# Altium PCB vme64x6U_ctrlc.PcbDoc (part 12 of 18)
Units mm, origin at the board's own origin, x right, y up, seen from the top; angles counter-clockwise.
Board outline 233.35 x 162 mm, 6 copper layers (TopLayer, PlaneGnd, PlanePwr, MidLayer3, MidLayer4, BottomLayer); 408 components, 677 nets, 2169 pads, 1555 vias.
Unrouted connection lines stored in the file: 184.
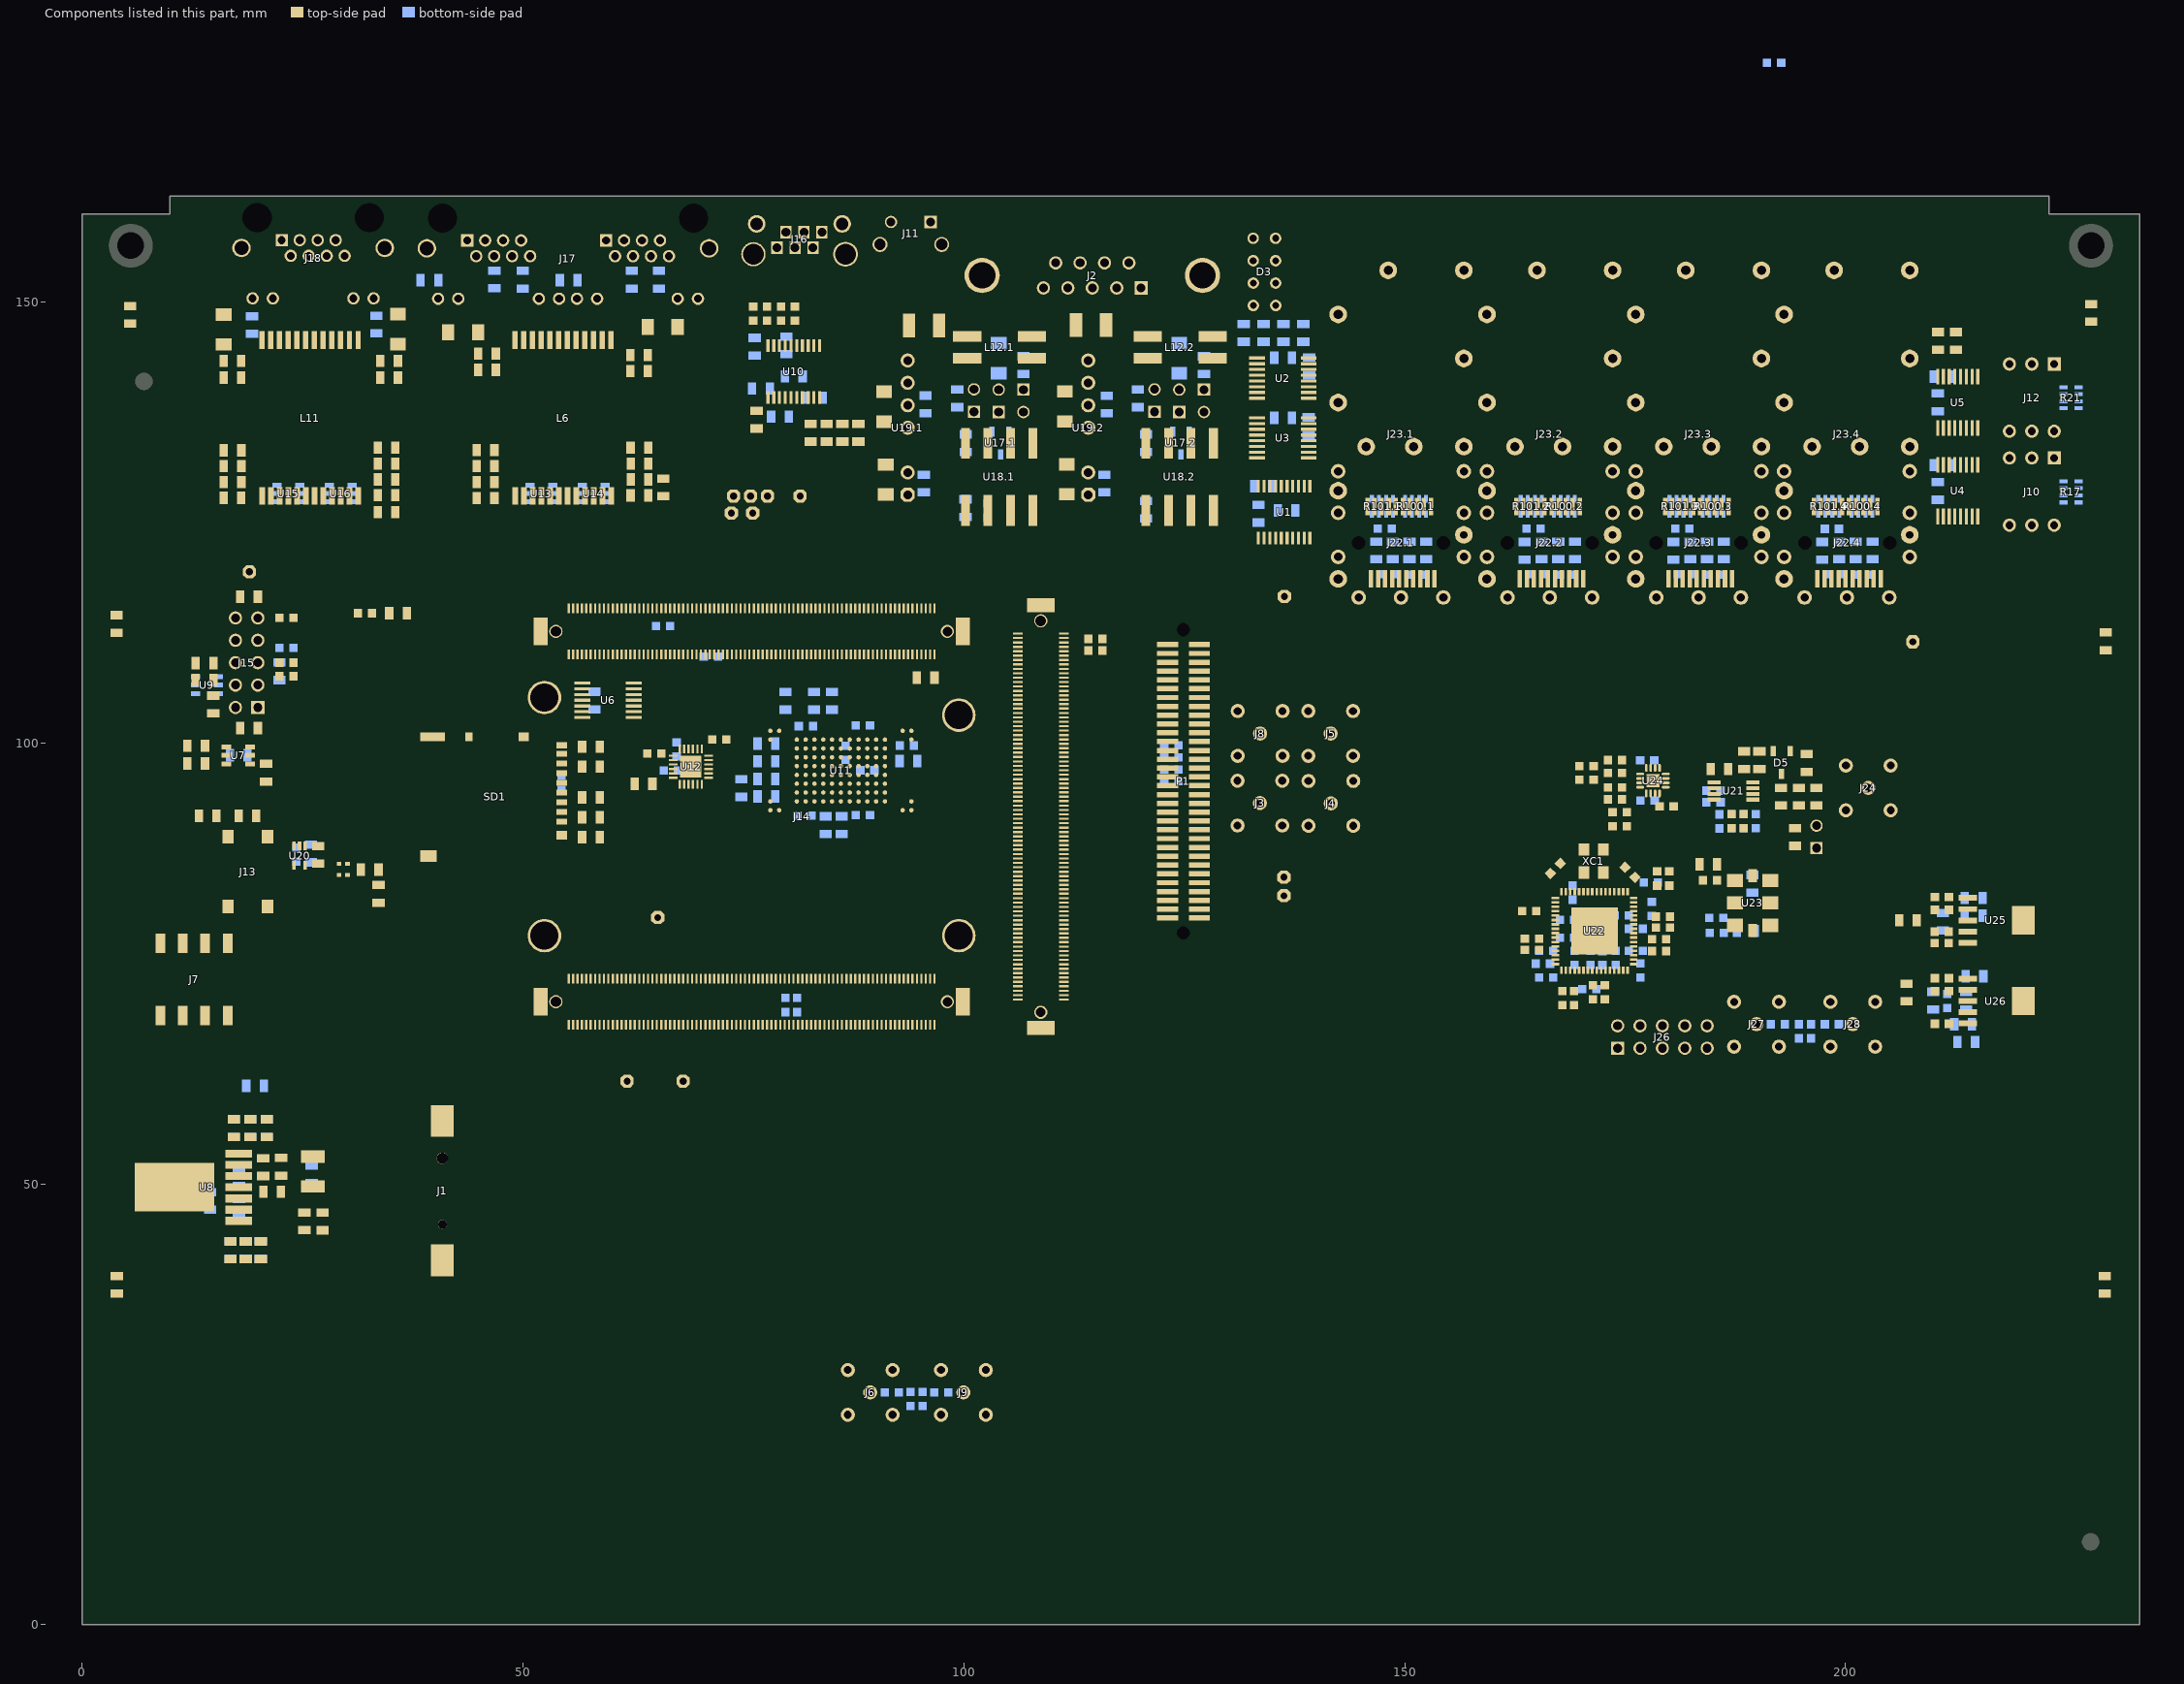
[diagram p16: the components of this part, seen from the top]

## Components (designator, comment, footprint, x,y, rotation, side; value= is the part's Value field where it differs from the comment) (continued)
C73.3 "100nF" CAPC1608N 181.5,124.3 r0 bottom (schematic designator C73)
C73.4 "100nF" CAPC1608N 198.45,124.275 r0 bottom (schematic designator C73)
C74.1 "22uF" CAPC2012N 146.775,121.825 r270 bottom (schematic designator C74)
C74.2 "22uF" CAPC2012N 163.605,121.8 r270 bottom (schematic designator C74)
C74.3 "22uF" CAPC2012N 180.48,121.8 r270 bottom (schematic designator C74)
C74.4 "22uF" CAPC2012N 197.355,121.8 r270 bottom (schematic designator C74)
C75.1 "100nF" CAPC1608N 148.05,119.125 r0 bottom (schematic designator C75)
C75.2 "100nF" CAPC1608N 164.925,119.125 r0 bottom (schematic designator C75)
C75.3 "100nF" CAPC1608N 181.8,119.125 r0 bottom (schematic designator C75)
C75.4 "100nF" CAPC1608N 198.675,119.125 r0 bottom (schematic designator C75)
C76.1 "22uF" CAPC2012N 152.425,121.825 r270 bottom (schematic designator C76)
C76.2 "22uF" CAPC2012N 169.305,121.825 r270 bottom (schematic designator C76)
C76.3 "22uF" CAPC2012N 186.18,121.825 r270 bottom (schematic designator C76)
C76.4 "22uF" CAPC2012N 203.055,121.825 r270 bottom (schematic designator C76)
C77.1 "100nF" CAPC1608N 151.5,119.1 r180 bottom (schematic designator C77)
C77.2 "100nF" CAPC1608N 168.375,119.1 r180 bottom (schematic designator C77)
C77.3 "100nF" CAPC1608N 185.25,119.1 r180 bottom (schematic designator C77)
C77.4 "100nF" CAPC1608N 202.125,119.1 r180 bottom (schematic designator C77)
C78 "100nF" CAPC1608N 185.025,94.6 r0 bottom
C79 "100nF" CAPC1608N 185.025,93.275 r0 bottom
C80 "1nF" CAPC2012N 192.675,93.9 r270 top
C81 "0.1uF" CAPC2012N 188.5,98.05 r90 top
C82 "100nF" CAPC1608N 185.325,80.15 r180 bottom
C83 "100nF" CAPC1608N 185.375,78.45 r180 bottom
C84 "100nF" CAPC1608N 178.625,84.625 r270 top
C85 "100nF" CAPC1608N 177.9,84.175 r180 bottom
C86 "100nF" CAPC1608N 175.2,91.35 r270 top
C87 "100nF" CAPC1608N 173.575,91.35 r270 top
C88 "100nF" CAPC1608N 169.275,75.625 r270 bottom
C89 "100nF" CAPC1608N 171.075,75.625 r270 bottom
C90 "100nF" CAPC1608N 179.275,80.3 r0 top
C91 "100nF" CAPC1608N 172.425,75.6 r270 bottom
C92 "100nF" CAPC1608N 179.275,79.05 r0 top
C93 "100nF" CAPC1608N 173.925,75.625 r270 bottom
C94 "100nF" CAPC1608N 165.675,74.975 r0 bottom
C95 "100nF" CAPC1608N 174.6,80.425 r0 bottom
C96 "100nF" CAPC1608N 178.85,76.4 r0 top
C97 "100nF" CAPC1608N 166.05,73.4 r0 bottom
C98 "100nF" CAPC1608N 166.05,76.425 r0 bottom
C99 "100nF" CAPC1608N 168.425,77.925 r180 bottom
C100 "100nF" CAPC1608N 177.5,98.025 r180 bottom
C101 "100nF" CAPC1608N 178.85,77.725 r0 top
C102 "100nF" CAPC1608N 168.425,79.925 r180 bottom
C103 "100nF" CAPC1608N 177.55,93.45 r180 bottom
C104 "100nF" CAPC1608N 176.725,74.2 r90 bottom
C105 "100nF" CAPC1608N 176.2,76.425 r180 bottom
C106 "100nF" CAPC1608N 176.225,78.925 r180 bottom
C107 "100nF" CAPC1608N 169.2,71.075 r270 top
C108 "100nF" CAPC1608N 170.625,95.825 r180 top
C109 "100nF" CAPC1608N 169.05,83.025 r270 bottom
C110 "100nF" CAPC1608N 170.625,97.375 r180 top
C111 "100nF" CAPC1608N 167.875,71.075 r270 top
C112 "100nF" CAPC1608N 172.7,71.725 r270 top
C113 "100nF" CAPC1608N 171.35,71.725 r270 top
C114 "100nF" CAPC1608N 164.425,76.525 r180 top
C115 "100nF" CAPC1608N 164.425,77.8 r180 top
C116 "100nF" CAPC1608N 210.925,81.075 r180 top
C117 "100nF" CAPC1608N 210.9,77.3 r180 top
C118 "1uF" CAPC2012N 214.525,80.408 r180 bottom
C119 "22uF" CAPC2012N 214.525,82.408 r180 bottom
C120 "100nF" CAPC1608N 210.925,82.525 r0 top
C121 "10nF" CAPC1608N 210.9,78.6 r0 top
C122 "100nF" CAPC1608N 210.923,71.875 r180 top
C123 "100nF" CAPC1608N 210.923,68.15 r180 top
C124 "10nF" CAPC1608N 211.523,70.75 r90 bottom
C125 "1uF" CAPC2012N 213.673,70.75 r90 bottom
C126 "22uF" CAPC2012N 214.625,73.55 r180 bottom
C127 "100nF" CAPC1608N 210.923,73.325 r0 top
D1 "BAS40SL" SOD_923 29.61,86.285 r0 top
D2 "BAS40SL" SOD_923 29.61,85.035 r0 top
D3 "H485CGDL" LED_H485C 131.535,162.31 r0 top
D4 "LB Q39E-N1OO-35-1" LEDC1608N 32.065,114.71 r0 top
D5 "MMBD1503" SOT95P280X115-3N 192.75,97.775 r270 top
J1 "BC501SM" BAT_CR1220 40.85,48.9 r90 top
J2 "DRB-9MA" DRB-9MA 120.105,151.6 r0 top
J3 "DNP" LEMO_EPA.00.250.NTN 133.575,93.175 r180 top
J4 "DNP" LEMO_EPA.00.250.NTN 141.625,93.15 r180 top
J5 "DNP" LEMO_EPA.00.250.NTN 141.6,101.075 r0 top
J6 "DNP" LEMO_EPA.00.250.NTN 89.375,26.35 r0 top
J7 "A6SN-4104" DIPSW4-A6SN8 8.87,69.075 r90 top
J8 "DNP" LEMO_EPA.00.250.NTN 133.6,101.075 r0 top
J9 "DNP" LEMO_EPA.00.250.NTN 99.95,26.35 r0 top
J10 "ERD116XSZ" SW_ECE_ERD116XSZ 223.665,132.32 r270 top
J11 "PTS645VL582LFS" PTS645VL582LFS 93.985,159.085 r180 top
J12 "ERD116XSZ" SW_ECE_ERD116XSZ 223.665,142.97 r270 top
J13 "PTS645SL43SMTR92" PTS645SL43SMTR92 18.785,85.41 r90 top
J14 "3 x FX10A-168P-SV1(71)" Mercury_SA2p 112.925,118.65 r180 top
J15 "IDC-10MC" PLD-10 18.65,109.1 r90 top
J16 "1734723-1@TYCO" RJ14 83.9,157.928 r180 top
J17 "RJHSE-5381-2" AMPH-RJHSE-5381-02_V 62.975,156.095 r180 top
J18 "RJHSE-5381" AMPH-RJHSE-5381_V 26.19,156.135 r180 top
J19.1 "PLS-2" PLS-2#1 101.15,138.825 r90 top (schematic designator J19)
J19.2 "PLS-2" PLS-2#1 121.625,138.825 r90 top (schematic designator J19)
J20.1 "PLS-2" PLS-2#1 103.95,138.8 r90 top (schematic designator J20)
J20.2 "PLS-2" PLS-2#1 124.425,138.8 r90 top (schematic designator J20)
J21.1 "PLS-2" PLS-2#1 106.75,138.8 r270 top (schematic designator J21)
J21.2 "PLS-2" PLS-2#1 127.225,138.8 r270 top (schematic designator J21)
J22.1 "74441-0001" MOLEX_74441-0001 149.58,122.7 r270 top (schematic designator J22)
J22.2 "74441-0001" MOLEX_74441-0001 166.455,122.7 r270 top (schematic designator J22)
J22.3 "74441-0001" MOLEX_74441-0001 183.33,122.7 r270 top (schematic designator J22)
J22.4 "74441-0001" MOLEX_74441-0001 200.205,122.7 r270 top (schematic designator J22)
J23.1 "74754-0101" MOLEX_74737-0111 149.58,122.7 r270 top (schematic designator J23)
J23.2 "74754-0101" MOLEX_74737-0111 166.455,122.7 r270 top (schematic designator J23)
J23.3 "74754-0101" MOLEX_74737-0111 183.33,122.7 r270 top (schematic designator J23)
J23.4 "74754-0101" MOLEX_74737-0111 200.155,122.7 r270 top (schematic designator J23)
J24 "DNP" LEMO_EPA.00.250.NTN 202.575,94.9 r0 top
J25 "PLS-2" PLS-2#2 196.7,88.075 r90 top
J26 "DNP" PLD-10 179.225,66.65 r0 top
J27 "DNP" LEMO_EPA.00.250.NTN 189.9,68.1 r0 top
J28 "DNP" LEMO_EPA.00.250.NTN 200.825,68.1 r0 top
L1 "LQH32PN4R7NN0L" IND_3225_MURATA_LQH_N 26.15,51.4 r270 top value=4.7uH
L2 "BLM21RK102SN1D" INDC2012N 63.205,129.885 r0 top value=BLM21SN102
L3 "BLM21RK102SN1D" INDC2012N 63.205,131.685 r0 top value=BLM21SN102
L4 "BLM21RK102SN1D" INDC2012N 45.755,131.385 r180 top value=BLM21SN102
L5 "BLM21RK102SN1D" INDC2012N 45.755,129.585 r180 top value=BLM21SN102
L6 "H5008NL" SMD_HX508 49.105,128 r90 top
L7 "DNP" INDC2012N 34.51,129.885 r0 top
L8 "DNP" INDC2012N 34.51,131.685 r0 top
L9 "DNP" INDC2012N 17.06,131.385 r180 top
L10 "DNP" INDC2012N 17.06,129.585 r180 top
L11 "H5008NL" SMD_HX508 20.41,128 r90 top
L12.1 "B82790C0513" SMD_B82790 107.725,146.125 r180 top (schematic designator L12)
L12.2 "B82790C0513" SMD_B82790 128.2,146.125 r180 top (schematic designator L12)
L13.1 "LQH32PN4R7NN0L" IND_3225_MURATA_LQH_N 95.475,147.35 r180 top value=4.7uH (schematic designator L13)
L13.2 "LQH32PN4R7NN0L" IND_3225_MURATA_LQH_N 114.425,147.4 r180 top value=4.7uH (schematic designator L13)
L14.1 "BLM21PG221SN1" INDC2012N 148.655,121.825 r270 bottom (schematic designator L14)
L14.2 "BLM21PG221SN1" INDC2012N 165.53,121.825 r270 bottom (schematic designator L14)
L14.3 "BLM21PG221SN1" INDC2012N 182.405,121.825 r270 bottom (schematic designator L14)
L14.4 "BLM21PG221SN1" INDC2012N 199.28,121.825 r270 bottom (schematic designator L14)
L15.1 "BLM21PG221SN1" INDC2012N 150.53,121.825 r270 bottom (schematic designator L15)
L15.2 "BLM21PG221SN1" INDC2012N 167.405,121.825 r270 bottom (schematic designator L15)
L15.3 "BLM21PG221SN1" INDC2012N 184.28,121.825 r270 bottom (schematic designator L15)
L15.4 "BLM21PG221SN1" INDC2012N 201.155,121.825 r270 bottom (schematic designator L15)
P1 "TYCO_120521-1" TYCO_120521-1 124.9,78.45 r90 top value=DNP
R1 "5.1kΩ" RESC2012N 133.95,129.125 r0 bottom value=5.1k?
R2 "5.1kΩ" RESC2012N 211.025,131.5 r0 bottom value=5.1k?
R3 "5.1kΩ" RESC2012N 136.6,126.375 r180 bottom value=5.1k?
R4 "5.1kΩ" RESC2012N 139.15,142.7 r90 bottom value=5.1k?
R5 "5.1kΩ" RESC2012N 139.1,135.925 r90 bottom value=5.1k?
R6 "5.1kΩ" RESC2012N 212.525,145.6 r90 top value=5.1k?
R7 "5.1kΩ" RESC2012N 210.475,145.6 r90 top value=5.1k?
R8 "43kΩ" RESC2012N 32.61,85.635 r180 top value=43k?
R9 "100Ω" RESC1608N 123.525,95.65 r180 bottom value=100?
R10 "5.1kΩ" RESC2012N 211.025,141.55 r0 bottom value=5.1k?
R11 "100Ω" RESC1608N 123.525,97 r180 bottom value=100?
R12 "100Ω" RESC1608N 191.9,177.125 r180 bottom value=100?
R13 "100Ω" RESC1608N 123.525,98.375 r180 bottom value=100?
R14 "100Ω" RESC1608N 91.825,26.35 r0 bottom value=100?
R15 "100Ω" RESC1608N 93.95,25.6 r270 bottom value=100?
R16 "100Ω" RESC1608N 123.525,99.75 r180 bottom value=100?
R17 "CAY16-4702F4LF" CAY16-J4 224.725,127.275 r0 bottom value=47k?
R18 "100Ω" RESC1608N 97.45,26.35 r180 bottom value=100?
R19 "100Ω" RESC1608N 95.3,25.6 r270 bottom value=100?
R20 "10kΩ" RESC2012N 12.925,97.675 r0 top value=10k?
R21 "CAY16-4702F4LF" CAY16-J4 224.725,137.95 r0 bottom value=47k?
R22 "1kΩ" RESC2012N 136.25,146.5 r90 bottom value=1k?
R23 "1kΩ" RESC2012N 138.5,146.5 r90 bottom value=1k?
R24 "51kΩ" RESC2012N 12.925,99.675 r0 top value=51k?
R25 "1kΩ" RESC2012N 134,146.5 r90 bottom value=1k?
R26 "1kΩ" RESC2012N 131.75,146.5 r90 bottom value=1k?
R27 "10MΩ" RESC2012N 3.925,38.55 r270 top value=10M?
R28 "10MΩ" RESC2012N 229.4,38.55 r270 top value=10M?
R29 "51kΩ" RESC2012N 14.225,91.725 r0 top value=51k?
R30 "DNP" RESC2012N 5.45,148.55 r270 top
R31 "10MΩ" RESC2012N 3.9,113.5 r270 top value=10M?
R32 "DNP" RESC2012N 227.85,148.775 r270 top
R33 "10MΩ" RESC2012N 229.5,111.525 r90 top value=10M?
R34 "1kΩ" RESC2012N 35.815,114.71 r180 top value=1k?
R35 "1kΩ" RESC2012N 19.6,61.125 r0 bottom value=1k?
R36 "75kΩ" RESC2012N 20.535,51.885 r270 top value=75k?
R37 "DNP" RESC2012N 26.025,51.075 r90 bottom
R38 "1kΩ" RESC2012N 22.56,51.935 r270 top value=1k?
R39 "24kΩ" RESC2012N 17.785,50.76 r270 bottom value=24k?
R40 "22Ω" RESC1608N 71.3,109.8 r0 bottom value=22?
R41 "DNP" RESC1608N 23.16,110.785 r180 bottom
R42 "1kΩ" RESC2012N 14.875,104.375 r90 top value=1k?
R43 "22Ω" RESC1608N 23.16,107.56 r180 top value=22?
R44 "DNP" RESC2012N 18.925,101.675 r180 top
R45 "100Ω" RESC1608N 23.16,114.21 r180 top value=100?
R46 "DNP" RESC2012N 22.375,108.125 r270 bottom
R47 "100Ω" RESC1608N 23.16,109.11 r180 top value=100?
R48 "100Ω" RESC1608N 65.875,113.275 r180 bottom value=100?
R49 "DNP" RESC2012N 18.925,116.575 r180 top
R50 "10kΩ" RESC2012N 13.875,109.05 r180 top value=10k?
R51 "51kΩ" RESC2012N 76.485,136.66 r90 top value=51k?
R52 "51kΩ" RESC2012N 76.26,144.935 r90 bottom value=51k?
R53 "22Ω" RESC1608N 80.835,148.703 r90 top value=22?
R54 "1kΩ" RESC2012N 86.225,135.175 r90 top value=1k?
R55 "22Ω" RESC1608N 79.26,148.703 r90 top value=22?
R56 "1kΩ" RESC2012N 88.025,135.175 r90 top value=1k?
R57 "1kΩ" RESC2012N 84.425,135.175 r90 top value=1k?
R58 "1kΩ" RESC2012N 82.625,135.175 r90 top value=1k?
R59 "22Ω" RESC1608N 77.685,148.703 r90 top value=22?
R60 "22Ω" RESC1608N 76.11,148.703 r90 top value=22?
R61 "10kΩ" RESC2012N 77.6,97.925 r0 bottom value=10k?
R62 "10kΩ" RESC2012N 85.05,104.775 r270 bottom value=10k?
R63 "10kΩ" RESC2012N 79.75,104.775 r270 bottom value=10k?
R64 "10kΩ" RESC2012N 83,104.775 r270 bottom value=10k?
R65 "10kΩ" RESC2012N 77.6,99.925 r0 bottom value=10k?
R66 "10kΩ" RESC2012N 86.125,90.675 r90 bottom value=10k?
R67 "10kΩ" RESC2012N 77.6,95.925 r0 bottom value=10k?
R68 "10kΩ" RESC2012N 77.6,93.925 r0 bottom value=10k?
R69 "10kΩ" RESC2012N 84.325,90.675 r90 bottom value=10k?
R70 "10kΩ" RESC2012N 74.75,94.875 r90 bottom value=10k?
R71 "10kΩ" RESC2012N 63.675,95.375 r180 top value=10k?
R72 "22Ω" RESC1608N 64.875,98.8 r180 top value=22?
R73 "22Ω" RESC1608N 72.25,100.375 r0 top value=22?
R74 "10kΩ" RESC2012N 57.7,89.325 r180 top value=10k?
R75 "10kΩ" RESC2012N 57.7,91.575 r180 top value=10k?
R76 "10kΩ" RESC2012N 57.7,93.825 r180 top value=10k?
R77 "10kΩ" RESC2012N 57.7,97.325 r180 top value=10k?
R78 "10kΩ" RESC2012N 57.7,99.575 r180 top value=10k?
R79 "75Ω" RESC2012N 45.91,144.16 r0 top value=75?
R80 "150Ω" RESC2012N 39.385,152.485 r0 bottom value=150?
R81 "75Ω" RESC2012N 45.91,142.31 r0 top value=75?
R82 "75Ω" RESC2012N 46.76,152.56 r270 bottom value=75?
R83 "75Ω" RESC2012N 63.16,142.16 r180 top value=75?
R84 "75Ω" RESC2012N 49.96,152.535 r270 bottom value=75?
R85 "75Ω" RESC2012N 63.16,143.985 r180 top value=75?
R86 "150Ω" RESC2012N 55.175,152.475 r0 bottom value=150?
R87 "75Ω" RESC2012N 62.335,152.535 r270 bottom value=75?
R88 "75Ω" RESC2012N 65.41,152.535 r270 bottom value=75?
R89 "75Ω" RESC2012N 17.035,143.335 r0 top value=75?
R90 "75Ω" RESC2012N 17.035,141.435 r0 top value=75?
R91 "150Ω" RESC2012N 19.275,147.4 r90 bottom value=150?
R92 "75Ω" RESC2012N 34.81,141.435 r180 top value=75?
R93 "150Ω" RESC2012N 33.375,147.45 r90 bottom value=150?
R94 "75Ω" RESC2012N 34.81,143.335 r180 top value=75?
R95.1 "62Ω" RESC2012N 99.25,139.075 r90 bottom value=62? (schematic designator R95)
R95.2 "62Ω" RESC2012N 119.725,139.075 r90 bottom value=62? (schematic designator R95)
R96.1 "22Ω" RESC1608N 102.7,126.35 r270 bottom value=22? (schematic designator R96)
R96.2 "22Ω" RESC1608N 123.175,126.35 r270 bottom value=22? (schematic designator R96)
R97.1 "62Ω" RESC2012N 106.75,142.85 r90 bottom value=62? (schematic designator R97)
R97.2 "62Ω" RESC2012N 127.225,142.85 r90 bottom value=62? (schematic designator R97)
R98.1 "22Ω" RESC1608N 105.3,126.4 r270 bottom value=22? (schematic designator R98)
R98.2 "22Ω" RESC1608N 125.775,126.4 r270 bottom value=22? (schematic designator R98)
R99 "51kΩ" RESC2012N 26.775,87.3 r270 top value=51k?
R100.1 "CAY16-1002F4LF" CAY16-J4 152.43,126 r90 bottom value=10k? (schematic designator R100)
R100.2 "CAY16-1002F4LF" CAY16-J4 169.305,126 r90 bottom value=10k? (schematic designator R100)
R100.3 "CAY16-1002F4LF" CAY16-J4 186.18,126 r90 bottom value=10k? (schematic designator R100)
R100.4 "CAY16-1002F4LF" CAY16-J4 203.055,126 r90 bottom value=10k? (schematic designator R100)
R101.1 "CAY16-1002F4LF" CAY16-J4 148.68,126 r90 bottom value=10k? (schematic designator R101)
R101.2 "CAY16-1002F4LF" CAY16-J4 165.555,126 r90 bottom value=10k? (schematic designator R101)
R101.3 "CAY16-1002F4LF" CAY16-J4 182.43,126 r90 bottom value=10k? (schematic designator R101)
R101.4 "CAY16-1002F4LF" CAY16-J4 199.305,126 r90 bottom value=10k? (schematic designator R101)
R102 "0Ω" RESC2012N 206.925,71.7 r270 top value=0?
R103 "150Ω" RESC2012N 194.7,93.9 r90 top value=150?
R104 "1kΩ" RESC2012N 213.7,66.075 r0 bottom value=1k?
R105 "51Ω" RESC2012N 196.7,93.9 r90 top value=51?
R106 "10kΩ" RESC2012N 185.7,97.05 r180 top value=10k?
R107 "150Ω" RESC2012N 190.225,98.05 r270 top value=150?
R108 "51kΩ" RESC2012N 195.6,97.725 r90 top value=51k?
R109 "0Ω" RESC2012N 207.075,79.9 r0 top value=0?
R110 "DNP" RESC1608N 187.075,91.125 r90 bottom
R111 "DNP" RESC1608N 185.7,91.1 r270 bottom
R112 "51kΩ" RESC2012N 194.275,89.325 r90 top value=51k?
R113 "22Ω" RESC1608N 187.075,91.125 r90 top value=22?
R114 "1kΩ" RESC2012N 211.05,79.725 r90 bottom value=1k?
R115 "22Ω" RESC1608N 188.45,91.125 r90 top value=22?
R116 "DNP" RESC1608N 188.45,91.125 r90 bottom
R117 "DNP" RESC1608N 189.825,91.125 r270 bottom
R118 "5.1kΩ" RESC2012N 188.675,78.675 r0 bottom value=5.1k?
R119 "5.1kΩ" RESC2012N 189.425,84.025 r90 bottom value=5.1k?
R120 "51Ω" RESC2012N 184.425,86.25 r180 top value=51?
R121 "820Ω" RESC1608N 180,84.625 r270 top value=820?
R122 "22Ω" RESC1608N 184.625,84.425 r180 top value=22?
R123 "100Ω" RESC1608N 175.55,85.325 r315 top value=100?
R124 "100Ω" RESC1608N 167.075,85.775 r45 top value=100?
R125 "100Ω" RESC1608N 178.025,81.175 r270 bottom value=100?
R126 "22Ω" RESC1608N 164.125,80.925 r180 top value=22?
R127 "22Ω" RESC1608N 170.95,72.1 r180 bottom value=22?
R128 "100Ω" RESC1608N 192.325,68.1 r180 bottom value=100?
R129 "100Ω" RESC1608N 194.7,67.3 r90 bottom value=100?
R130 "91Ω" RESC1608N 173.85,94.95 r180 top value=91?
R131 "91Ω" RESC1608N 173.85,93.6 r180 top value=91?
R132 "100Ω" RESC1608N 198.45,68.1 r0 bottom value=100?
R133 "68Ω" RESC1608N 179.7,92.825 r0 top value=68?
R134 "100Ω" RESC1608N 196.1,67.3 r90 bottom value=100?
R135 "91Ω" RESC1608N 173.85,96.6 r0 top value=91?
R136 "91Ω" RESC1608N 173.85,98.05 r0 top value=91?
R137 "5.1kΩ" RESC2012N 209.923,70.775 r90 bottom value=5.1k?
R138 "12kΩ" RESC2012N 213.325,68.1 r180 bottom value=12k?
SD1 "DM3AT-SF-PEJM5" SD_HRS-DM3AT-8_V 46.825,93.925 r270 top
TP1 "test point" TEST_POINT 136.3,82.675 r0 top
TP2 "test point" TEST_POINT 136.3,84.775 r0 top
TP3 "test point" TEST_POINT 77.725,128 r90 top
TP4 "test point" TEST_POINT 81.425,128 r90 top
TP5 "test point" TEST_POINT 75.8,128 r90 top
TP6 "test point" TEST_POINT 18.975,119.4 r90 top
TP7 "test point" TEST_POINT 73.625,126.075 r90 top
TP8 "test point" TEST_POINT 136.35,116.625 r90 top
TP9 "test point" TEST_POINT 76.05,126.075 r90 top
TP10 "test point" TEST_POINT 207.625,111.475 r90 top
TP11 "test point" TEST_POINT 73.875,128 r90 top
TP12 "test point" TEST_POINT 65.275,80.2 r90 top
TP13 "test point" TEST_POINT 61.8,61.65 r90 top
TP14 "test point" TEST_POINT 68.15,61.65 r0 top
U1 "PCA9544APW" SOP65P640X110-20N 136.325,126.175 r90 top
U2 "PCA9534PW" SOP65P640X110-16N 136.175,141.375 r0 top
U3 "PCA9534PW" SOP65P640X110-16N 136.175,134.6 r0 top
U4 "PCA9534PW" SOP65P640X110-16N 212.725,128.6 r90 top
U5 "PCA9534PW" SOP65P640X110-16N 212.725,138.625 r90 top
U6 "SN74LVC04APW" SOP65P640X110-14N 59.64,104.84 r180 top
U7 "TPS3808G33QDBVRQ1" SOT95P280X100-6N 17.685,98.585 r0 top
U8 "LMZ10504EXT" TO-PMOD7 11.71,49.61 r180 top
U9 "IP4220CZ6" SOT95P285X110-6N 14.135,106.56 r0 bottom
U10 "ADM3222ARUZ" SOP65P640X110-20N 80.71,142.11 r90 top value=ADM3222
U11 "MTFC8GACAEDQ-AAT TR" BGA100C100P10X17_1400X1800X120 94.05,101.375 r270 top
U12 "TXS02612RTWR" QFN50P400X400X80-25N-S245 69.025,97.3 r90 top
U13 "IP4220CZ6" SOT95P285X110-6N 52.075,128.285 r0 bottom
U14 "IP4220CZ6" SOT95P285X110-6N 58.015,128.285 r0 bottom
U15 "IP4220CZ6" SOT95P285X110-6N 23.38,128.285 r0 bottom
U16 "IP4220CZ6" SOT95P285X110-6N 29.32,128.285 r0 bottom
U17.1 "SM712" SOT95P240X110-3N 104.15,134.025 r270 bottom (schematic designator U17)
U17.2 "SM712" SOT95P240X110-3N 124.625,134.025 r270 bottom (schematic designator U17)
U18.1 "ISO1050DU" SOP8 104,130.175 r90 top (schematic designator U18)
U18.2 "ISO1050DU" SOP8 124.475,130.175 r90 top (schematic designator U18)
U19.1 "AM1D-0505S-N" SIP-7 93.624,128.135 r90 top (schematic designator U19)